# Allegro board LAY-29615_B4.brd
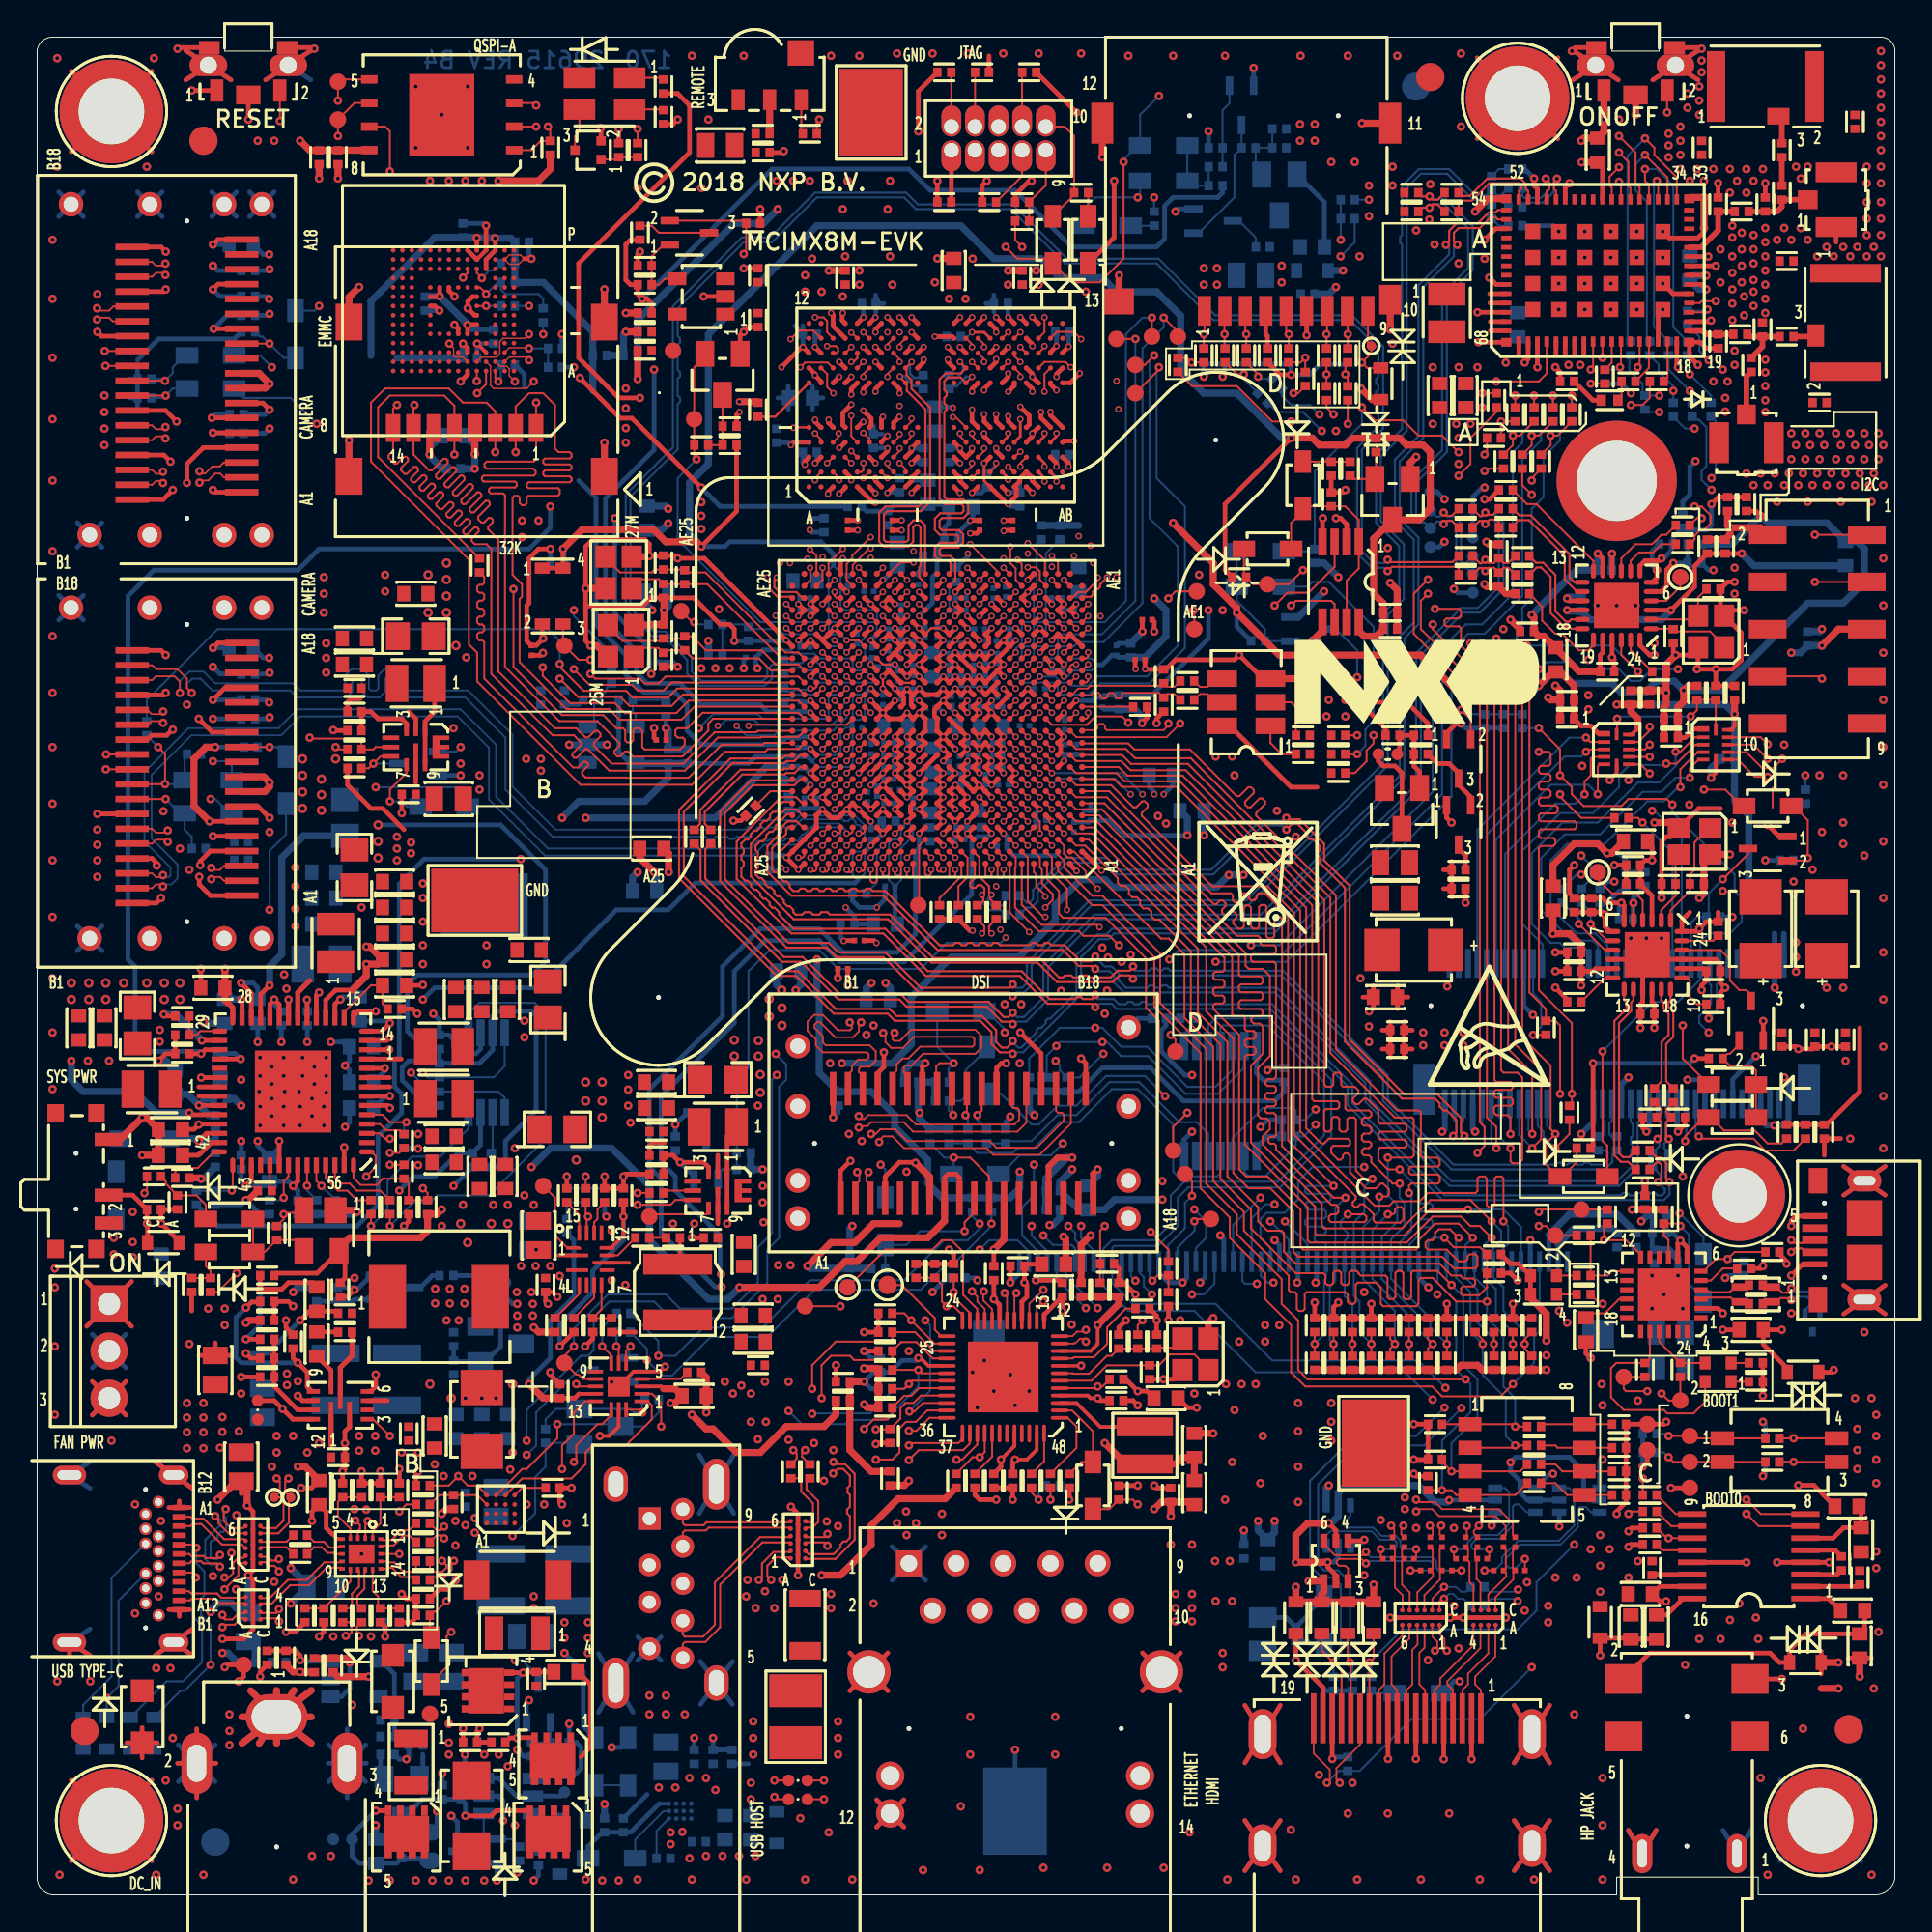
[diagram p0: board, top side]
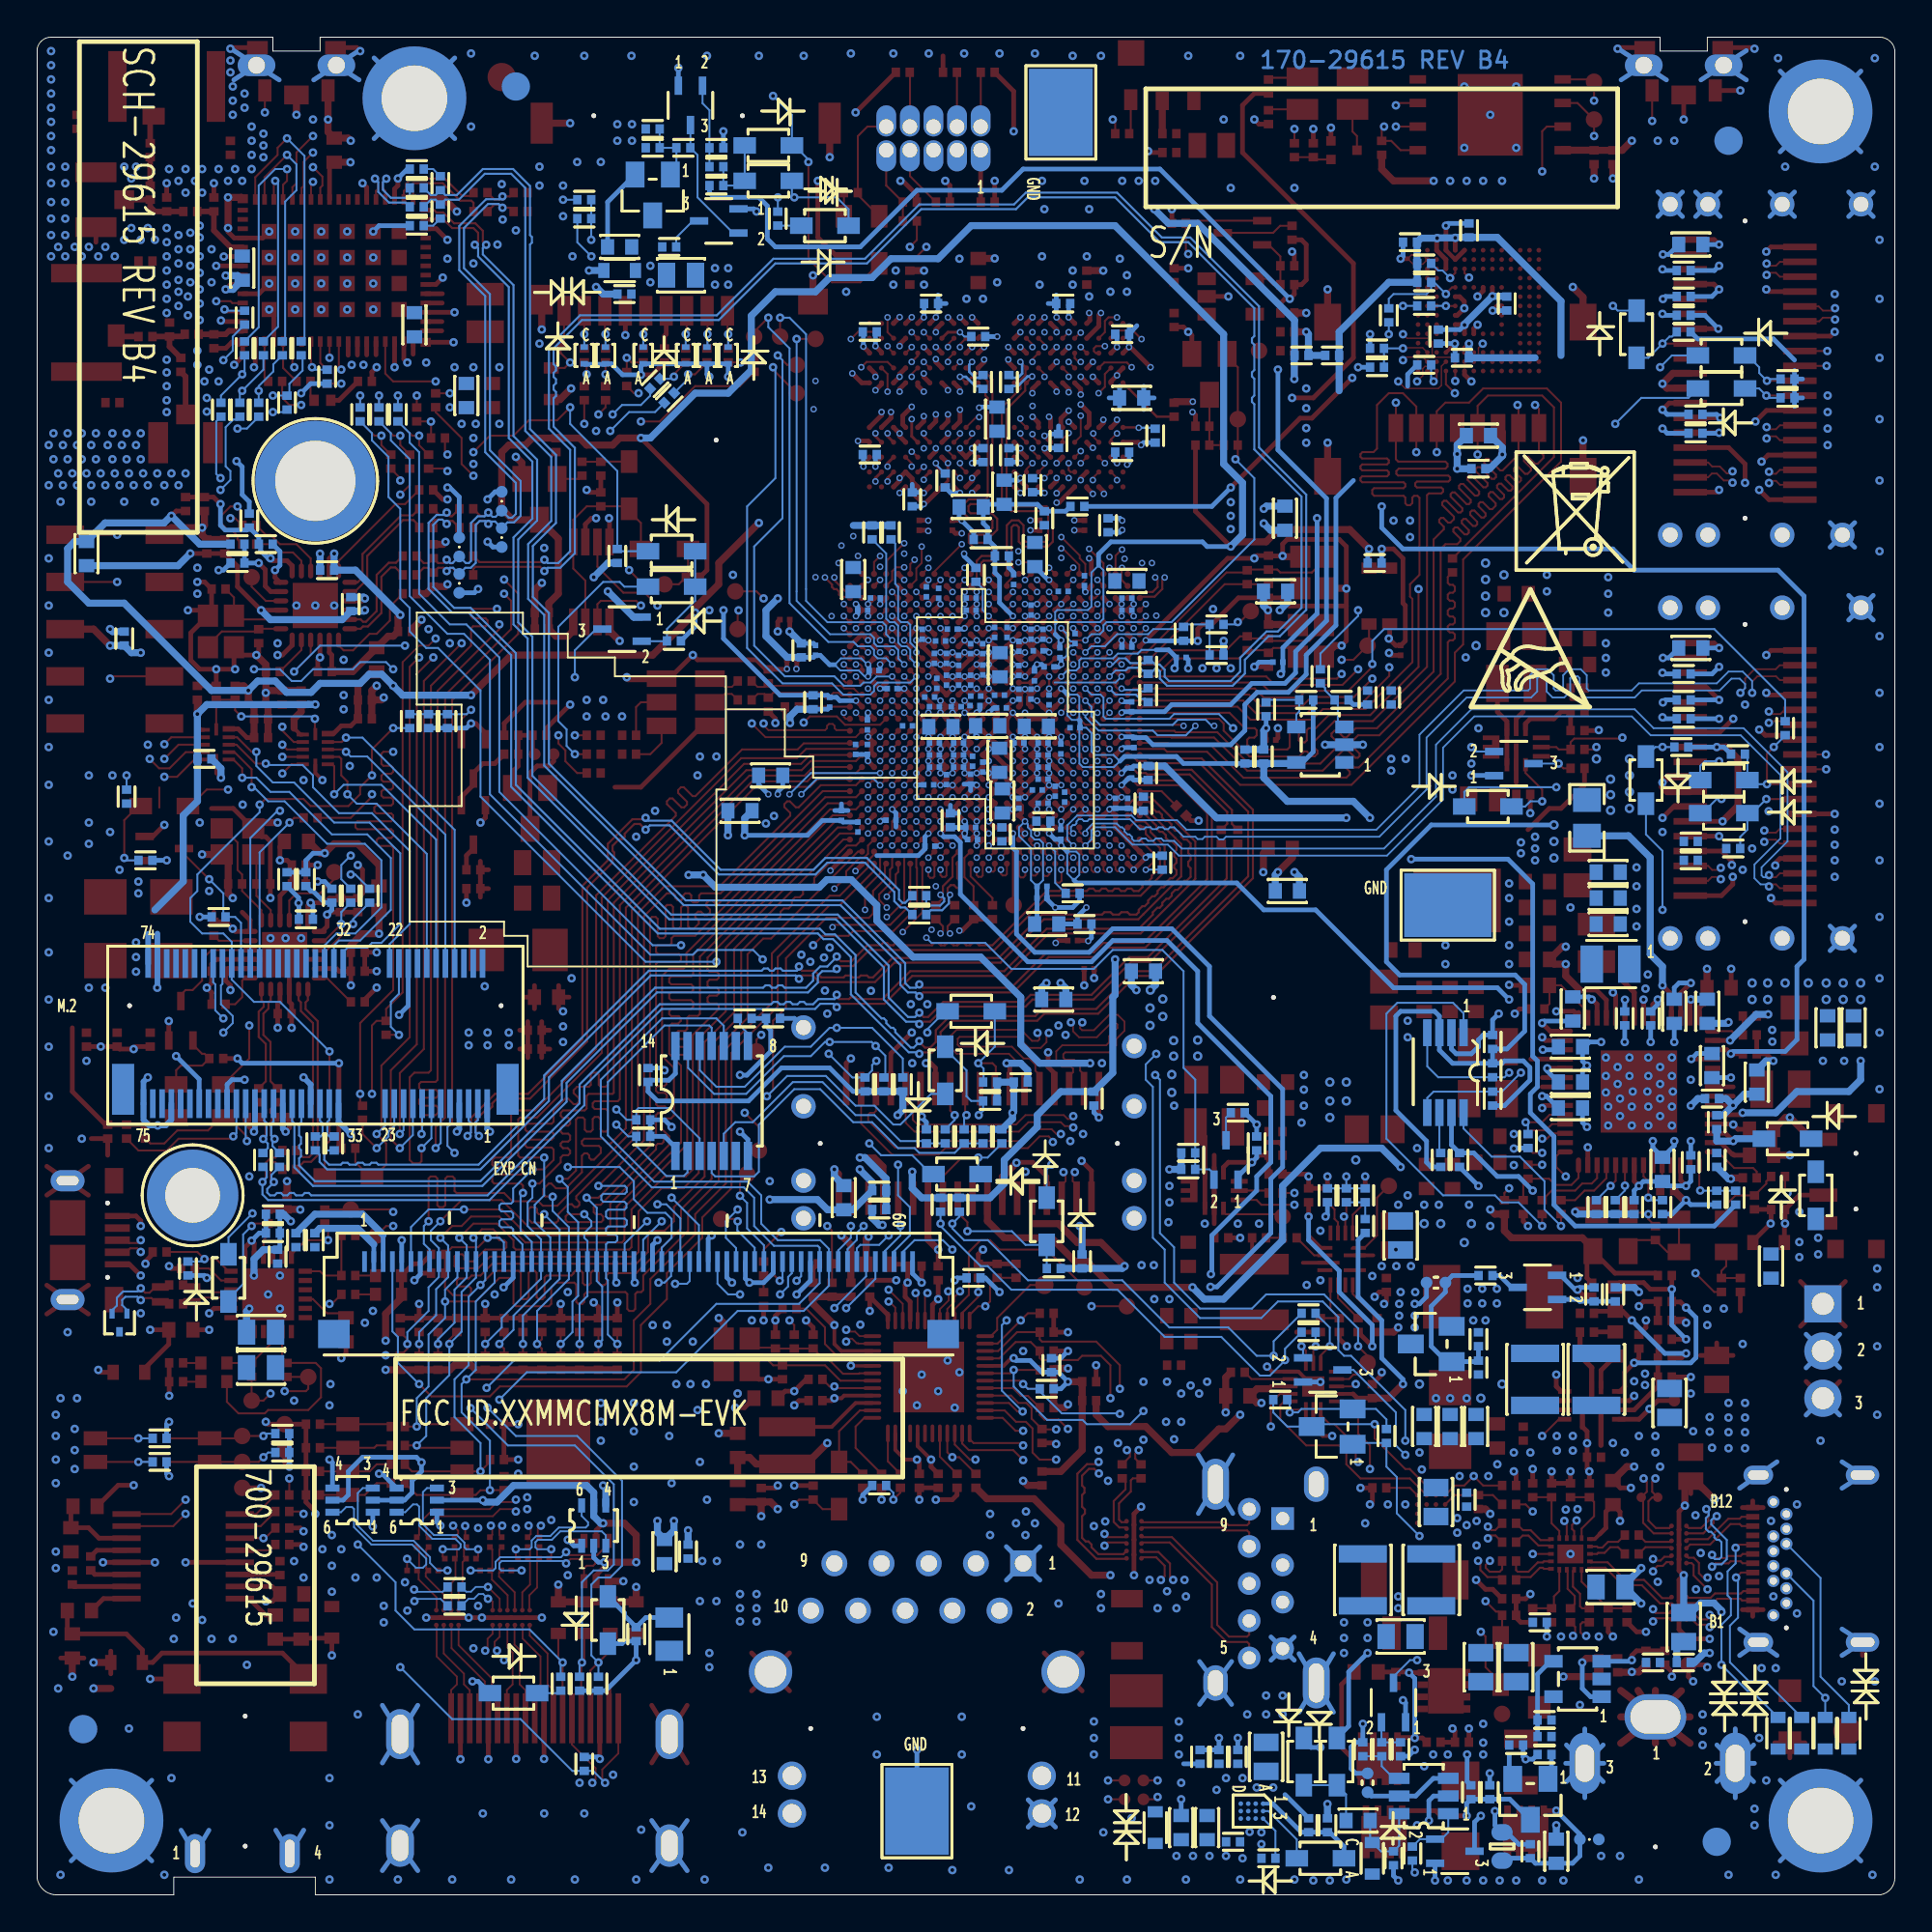
[diagram p1: board, bottom side, seen from below]

Outline 100 x 100 mm; copper layers: TOP, L2_GND_1, L3_POWER_1, L4_INT_1, L5_GND_2, L6_INT_2, L7_GND_3, L8_INT_3, L9_GND_4, BOTTOM. Coordinates in mm from the lower left corner of the outline.
Outline path: 0,99.31 0,0.92 arc(0.22,0.32) 0.78,0 85.03,0 85.03,0.95 92.65,0.95 92.65,0 98.95,0 arc(99.64,0.25) 100,0.89 100,99.38 arc(99.74,99.82) 99.25,100 87.31,100 87.31,99.25 84.77,99.25 84.77,100 12.64,100 12.64,99.25 10.1,99.25 10.1,100 0.82,100 arc(0.29,99.8) 0,99.31

## Design rules (mm)
net group BOOT_MODE0: nets BOOT_MODE0 N102095936
net group BOOT_MODE1: nets BOOT_MODE1 N102095920
net group BT_DEV_WAKE: nets BT_DEV_WAKE N105090550
net group BT_REG_ON: nets BT_REG_ON N105916681
net group CLK1: nets CLK1_N CLK1_P
net group CLK2: nets CLK2_N CLK2_P
net group DCDC_5V_CN: nets DCDC_5V_CN N100828512
net group DP15: nets N99976142 N99976173
net group DP16: nets N99976175 N99976189
net group DRAM_CK_A: nets DRAM_CK_C_A DRAM_CK_T_A
net group DRAM_CK_B: nets DRAM_CK_C_B DRAM_CK_T_B
net group DRAM_VREF: nets DRAM_VREF VREFDDR
net group DSI_TS_SCL: nets DSI_TS_SCL N103556124
net group DSI_TS_SDA: nets DSI_TS_SDA N103556123
net group EMMC_CLK: nets EMMC_CLK SD1_CLK
net group EMMC_NRST: nets EMMC_NRST SD1_NRST
net group EN_SNK: nets EN_SNK N101010200
net group ENET_XTLI: nets CLKO_25MHZ ENET_XTLI
net group ETH_TRX0: nets ETH_TRX0_N ETH_TRX0_P
net group ETH_TRX1: nets ETH_TRX1_N ETH_TRX1_P
net group ETH_TRX2: nets ETH_TRX2_N ETH_TRX2_P
net group ETH_TRX3: nets ETH_TRX3_N ETH_TRX3_P
net group HDMI_AUXN: nets HDMI_AUXN HDMI_AUXN_C
net group HDMI_AUXP: nets HDMI_AUXP HDMI_AUXP_C
net group HDMI_CEC: nets HDMI_CEC N104602033
net group HDMI_REFCLKN: nets HDMI_REFCLKN N102924140
net group HDMI_REFCLKP: nets HDMI_REFCLKP N102924137
net group I2C1_SCL: nets I2C1_SCL N103622995
net group I2C1_SDA: nets I2C1_SDA N103622993
net group ILIM: nets ILIM N101008668
net group IR_CAP: nets IR_CAP N99468749
net group LINK / ACTIVE: nets LED_LINK1000 LINK / ACTIVE
net group M2_SD_NRST: nets M2_SD_NRST N106113334
net group M2_SD_WAKE: nets M2_SD_WAKE SDIO_WAKE
net group MDC: nets ENET_MDC MDC
net group N99975371: nets N99975371 N99975431
net group N99975385: nets N99975385 N99975460
net group N100755622: nets N99975417 N100755622
net group N100755624: nets N99975403 N100755624
net group N101902831: nets N101008879 N101902831
net group N102081148: nets N102081058 N102081148
net group N102887637: nets N99789347 N102887637
net group N102887640: nets N99789365 N102887640
net group N102889416: nets N102889416 N102889418
net group N103625632: nets N103625614 N103625632
net group N105359085: nets N105359085 N106048338
net group NRST_99512133: nets N99515650 NRST_99512133
net group NWDOG: nets N103653503 NWDOG
net group PCIE: nets PCIE2_RXN PCIE2_RXP
net group PCIE1_REF_CLKN: nets N104641618 PCIE1_REF_CLKN
net group PCIE1_REF_CLKP: nets N104641614 PCIE1_REF_CLKP
net group PCIE1_RXN: nets PCIE1_RXN WIFI_PCIE_TX_N
net group PCIE1_RXP: nets PCIE1_RXP WIFI_PCIE_TX_P
net group PCIE1_TXN: nets PCIE1_TXN WIFI_PCIE_RX_N
net group PCIE1_TXP: nets PCIE1_TXP WIFI_PCIE_RX_P
net group PCIE2_TXN: nets N105095143 PCIE2_TXN
net group PCIE2_TXP: nets N105095140 PCIE2_TXP
net group PMIC_STBY_REQ: nets N103623013 PMIC_STBY_REQ
net group PWM_LED: nets N99469401 PWM_LED
net group SAI2_MCLK: nets N102889696 SAI2_MCLK
net group SAI2_TXC: nets N102889754 SAI2_TXC
net group SD1_STROBE: nets EMMC_DQS SD1_STROBE
net group SSRX1: nets SSRXN1 SSRXP1
net group SSRX2: nets SSRXN2 SSRXP2
net group SSTX1: nets SSTXN1 SSTXP1
net group SSTX2: nets SSTXN2 SSTXP2
net group SYS_NRST: nets N103653528 SYS_NRST
net group UART2_RXD: nets UART2_RXD UART2_RXD_CPU
net group UART2_TXD_CPU: nets UART2_TXD UART2_TXD_CPU
net group USB1_RXN: nets N102841178 USB1_RXN
net group USB1_RXP: nets N102841181 USB1_RXP
net group USB1_TXN: nets N102841139 USB1_TXN
net group USB1_TXP: nets N102841136 USB1_TXP
net group USB2_TXN: nets N102841251 USB2_TXN
net group USB2_TXP: nets N102841248 USB2_TXP
net group USB_D: nets USB_DN USB_DP
net group USB_DBG_DM_CN: nets USB_DBG_DM USB_DBG_DM_CN
net group USB_DBG_DP_CN: nets USB_DBG_DP USB_DBG_DP_CN
net group USB_HOST_D: nets USB_HOST_DN USB_HOST_DP
net group USB_HOST_RX: nets USB_HOST_RXN USB_HOST_RXP
net group USB_HOST_TX: nets USB_HOST_TXN USB_HOST_TXP
net group VBUS_CP210X: nets VBUS_CP210X VBUS_USB_BDG
net group VCAM_1V5: nets N103623566 VCAM_1V5
net group VCC_3V6: nets N103621294 VCC_3V6
net group VCC_5V: nets N103937829 VCC_5V
net group WL_NWAKE: nets N105706707 WL_NWAKE
net group XTALI_25M: nets XTALI_25M XTALO_25M
net group XTALI_27M: nets XTALI_27M XTALO_27M
net group ANT0_OUT: nets ANT0_OUT N102661696 N102729666
net group ANT1_OUT: nets ANT1_OUT N102659644 N102730761
net group CLK: nets ENET_XTLO M2_PCM_CLK RTC_CLK_32K768 SD1_CMD
net group DRAM_ADD_A: nets ODT_CA_A
net group DRAM_ADD_B: nets ODT_CA_B
net group ECSPI2: nets I2C2_SCL I2C2_SDA N102026698 PCIE2_NCLKREQ PCIE_NCLKREQ PCIE_NRST PCIE_NWAKE
net group EN_SRC: nets EN_SRC N101008611 N101896717
net group ENET_MDIO: nets ENET_MDIO ENET_VDDH_2V5 ENET_VDDIO_2V5 LED_ACT LINKACT MDIO N101814214 NVCC_ENET_2V5
net group ENET_SD: nets ENET_DVDDL_1V1 ENET_LX ENET_SD
net group HDMI: nets HDMI_CLKN_CN HDMI_CLKP_CN HDMI_HPD HDMI_TXN0_CN HDMI_TXN1_CN HDMI_TXN2_CN HDMI_TXP0_CN HDMI_TXP1_CN HDMI_TXP2_CN HDMI_UTILITY/HEAC+_CN
net group HDMI_CLKN: nets HDMI_CLKN HDMI_CLKN_C N104595703
net group HDMI_CLKP: nets HDMI_CLKP HDMI_CLKP_C N104595705
net group HDMI_TXN0: nets HDMI_TXN0 HDMI_TXN0_C N104595634
net group HDMI_TXN1: nets HDMI_TXN1 HDMI_TXN1_C N104599400
net group HDMI_TXN2: nets HDMI_TXN2 HDMI_TXN2_C N104599354
net group HDMI_TXP0: nets HDMI_TXP0 HDMI_TXP0_C N104595636
net group HDMI_TXP1: nets HDMI_TXP1 HDMI_TXP1_C N104599402
net group HDMI_TXP2: nets HDMI_TXP2 HDMI_TXP2_C N104599356
net group M2_SD_CLK: nets M2_SD_CLK N98831920 SD2_CLK
net group M2_SD_CMD: nets M2_SD_CMD N101118780 SD2_CMD
net group M2_SD_DAT0: nets M2_SD_DAT0 N101118689 SD2_DATA0
net group M2_SD_DAT1: nets M2_SD_DAT1 N101118681 SD2_DATA1
net group M2_SD_DAT2: nets M2_SD_DAT2 N101118794 SD2_DATA2
net group M2_SD_DAT3: nets M2_SD_DAT3 N101118786 SD2_DATA3
net group M2_USB_DN: nets M2_USB_DN N101430997 USB2_DN
net group M2_USB_DP: nets M2_USB_DP N101431025 USB2_DP
net group N103620792: nets N103620806 N103620818 N103621061 N103621063
net group N103623433: nets N103621414 N103623433 N103623437
net group N103623474: nets N103623139 N103623474 N103623492
net group N103636036: nets N103635764 N103635890 N103636036
net group N103636955: nets N103636955
net group NAND: nets NAND_DATA4 NAND_DATA5 NAND_DATA6 NAND_DATA7 NAND_NCE3 NAND_NREADY NAND_NWE NAND_NWP TCPC_NINT USB1_SS_SEL
net group NRST: nets N306938 N101784396 N101840031 N103636841 N103653484 NRST NVCC_SNVS_3V3 PMIC_ON PMIC_ON_REQ POR_B
net group NVCC_SD2: nets N103625608 N103625713 N103625807 N103625812 NVCC_SD2
net group PCIE2_REF_CLKN_CN: nets N101995408 N101995453 PCIE2_REF_CLKN PCIE2_REF_CLKN_CN
net group PCIE2_REF_CLKP_CN: nets N101995404 N101995436 PCIE2_REF_CLKP PCIE2_REF_CLKP_CN
net group POWER_PH: nets ENET_AVDD33 LINEVDD N99468751 N101008815 N101800237 N101995353 N102189491 N104641488 N104641573 USB1_VBUS VCAM_2V8 VCC VDD_12V VDD_PHY_1V8 VDD_SNVS_0V9
net group REF_CLK_32K: nets N105095283 N105651086 REF_CLK_32K
net group RPD_CSI_P1: nets CSI_P1_CKN CSI_P1_CKP CSI_P1_DN0 CSI_P1_DN1 CSI_P1_DN2 CSI_P1_DN3 CSI_P1_DP0 CSI_P1_DP1 CSI_P1_DP2 CSI_P1_DP3
net group RPD_CSI_P2: nets CSI_P2_CKN CSI_P2_CKP CSI_P2_DN0 CSI_P2_DN1 CSI_P2_DN2 CSI_P2_DN3 CSI_P2_DP0 CSI_P2_DP1 CSI_P2_DP2 CSI_P2_DP3
net group RPD_DRAM_ADD_A: nets DRAM_CA0_A DRAM_CA1_A DRAM_CA2_A DRAM_CA3_A DRAM_CA4_A DRAM_CA5_A DRAM_CKE0_A DRAM_CKE1_A DRAM_NCS0_A DRAM_NCS1_A
net group RPD_DRAM_ADD_B: nets DRAM_CA0_B DRAM_CA1_B DRAM_CA2_B DRAM_CA3_B DRAM_CA4_B DRAM_CA5_B DRAM_CKE0_B DRAM_CKE1_B DRAM_NCS0_B DRAM_NCS1_B
net group RPD_DRAM_DATA0_A: nets DRAM_DATA0_A DRAM_DATA1_A DRAM_DATA2_A DRAM_DATA3_A DRAM_DATA4_A DRAM_DATA5_A DRAM_DATA6_A DRAM_DATA7_A DRAM_DMI0_A DRAM_SDQS0_C_A DRAM_SDQS0_T_A
net group RPD_DRAM_DATA0_B: nets DRAM_DATA0_B DRAM_DATA1_B DRAM_DATA2_B DRAM_DATA3_B DRAM_DATA4_B DRAM_DATA5_B DRAM_DATA6_B DRAM_DATA7_B DRAM_DMI0_B DRAM_SDQS0_C_B DRAM_SDQS0_T_B
net group RPD_DRAM_DATA1_A: nets DRAM_DATA8_A DRAM_DATA9_A DRAM_DATA10_A DRAM_DATA11_A DRAM_DATA12_A DRAM_DATA13_A DRAM_DATA14_A DRAM_DATA15_A DRAM_DMI1_A DRAM_SDQS1_C_A DRAM_SDQS1_T_A
net group RPD_DRAM_DATA1_B: nets DRAM_DATA8_B DRAM_DATA9_B DRAM_DATA10_B DRAM_DATA11_B DRAM_DATA12_B DRAM_DATA13_B DRAM_DATA14_B DRAM_DATA15_B DRAM_DMI1_B DRAM_SDQS1_C_B DRAM_SDQS1_T_B
net group RPD_DSI: nets DSI_CKN DSI_CKP DSI_DN0 DSI_DN1 DSI_DN2 DSI_DN3 DSI_DP0 DSI_DP1 DSI_DP2 DSI_DP3
net group RPD_ENET: nets ENET_RD0 ENET_RD1 ENET_RD2 ENET_RD3 ENET_RX_CTL ENET_RXC ENET_TD0 ENET_TD1 ENET_TD2 ENET_TD3 ENET_TX_CTL ENET_TXC
net group RPD_QSPI: nets NAND_DATA1 NAND_DATA2 NAND_DATA3 QSPIA_NSS0
net group RPD_SAI1: nets SAI1_MCLK SAI1_RXC SAI1_RXD0 SAI1_RXD1 SAI1_RXD2 SAI1_RXD3 SAI1_RXD4 SAI1_RXD5 SAI1_RXD6 SAI1_RXD7 SAI1_RXFS SAI1_TXC SAI1_TXD0 SAI1_TXD1 SAI1_TXD3 SAI1_TXD7 SAI1_TXFS
net group SAI1_TXD2: nets N97352674
net group SAI1_TXD4: nets N97352678
net group SAI1_TXD5: nets N97352680
net group SAI1_TXD6: nets N97352682
net group SAI2: nets SAI2_RXC SAI2_RXD SAI2_RXFS SAI2_TXD SAI2_TXFS
net group SAI3: nets SAI3_MCLK SAI3_RXC SAI3_RXFS
net group SAI3_RXD: nets N101353081 N103766552 SAI3_RXD
net group SAI3_TXC: nets N103766558 N105650269 SAI3_TXC
net group SAI3_TXD: nets N103766556 N105661695 SAI3_TXD
net group SAI3_TXFS: nets N103766554 N105650335 SAI3_TXFS
net group SAI5: nets SAI5_MCLK SAI5_RXC SAI5_RXD0 SAI5_RXD1 SAI5_RXD2 SAI5_RXD3 SAI5_RXFS
net group SD2: nets SD2_NRST
net group SPDIF: nets SPDIF_EXT_CLK SPDIF_RX SPDIF_TX
net group UART: nets WL_REG_ON
net group UART1_RXD: nets N101141297 UART1_RXD UART1_RXD_MCU
net group UART1_TXD_MCU: nets N101141295 UART1_TXD UART1_TXD_MCU
net group UART3_CTS: nets N103823983 N105650060 UART3_CTS
net group UART3_RTS: nets N103823996 N105650062 UART3_RTS
net group UART3_RXD: nets N103823981 N105650032 UART3_RXD
net group UART3_TXD: nets N103823994 N105650042 UART3_TXD
net group USB1: nets USB1_DN USB1_DP USB1_ID
net group USB2: nets USB2_ID USB2_RXN USB2_RXP USB2_VBUS
net group USB_VBUS: nets N101344123
net group VDDA_1V8: nets N103621960
net group VSD_3V3: nets N103625600
net group VSYS: nets N103620610 PWR_PATH_EN VSYS
net group WIFI_PCIE_CLKN: nets N104641622 WIFI_PCIE_CLKN WIFI_PCIE_REFCLK_N
net group WIFI_PCIE_CLKP: nets N104641620 WIFI_PCIE_CLKP WIFI_PCIE_REFCLK_P

## Placement (name value [footprint] x y rotation side)
BH1401  .635" LONG  [SPACER_139T]  4 4 0 top
BH1402  .635" LONG  [SPACER_139T]  4 96 0 top
BH1403  .635" LONG  [SPACER_139T]  79.69 96.71 0 top
BH1404  .635" LONG  [SPACER_139T]  96 4 0 top
BH1405  SMTSO-M1.6-2.25ET  [MH194-116T]  91.63 37.65 180 bottom
BH1406  SMTSO-M25  [MH244-166T]  85.03 76.11 180 bottom
C1  0.1uF  [0201_CC]  55.82 57.48 90 bottom
C2  0.1uF  [0201_CC]  53.97 64.93 0 bottom
C3  0.1uF  [0201_CC]  38.42 66.61 180 bottom
C4  2.2uF  [0402_CC]  50.84 57.85 270 bottom
C5  2.2uF  [0402_CC]  48.07 57.09 90 bottom
C6  2.2uF  [0402_CC]  40.19 60.39 270 bottom
C7  2.2uF  [0402_CC]  40.45 58.74 270 bottom
C8  0.1uF  [0201_CC]  56.7 58.1 270 bottom
C9  2.2uF  [0402_CC]  58.23 64.2 270 bottom
C10  2.2uF  [0402_CC]  58.86 66.99 90 bottom
C11  2.2uF  [0402_CC]  45.83 57.8 0 bottom
C12  2.2uF  [0402_CC]  43.62 52.26 180 bottom
C13  22uF  [0603_CC]  48.2 61.07 270 bottom
C14  22uF  [0603_CC]  46.21 62.9 180 bottom
C15  22uF  [0603_CC]  48.83 62.93 180 bottom
C16  22uF  [0603_CC]  51.35 62.88 0 bottom
C17  22uF  [0603_CC]  33.08 56.32 180 top
C18  22uF  [0603_CC]  46.29 72.15 90 bottom
C19  0.1uF  [0201_CC]  45.91 53.66 180 bottom
C20  0.1uF  [0201_CC]  45.91 54.29 180 bottom
C21  1uF  [0201_CC]  50.4 61.36 180 bottom
C22  1uF  [0201_CC]  50.4 60.71 180 bottom
C23  1uF  [0201_CC]  47.15 58.76 270 bottom
C24  1uF  [0201_CC]  45.85 62.01 180 bottom
C27  1uF  [0201_CC]  46.16 59.47 180 bottom
C28  1uF  [0201_CC]  45.85 60.06 180 bottom
C29  1uF  [0201_CC]  51.57 65.21 90 bottom
C31  1uF  [0201_CC]  51.7 60.71 0 bottom
C32  1uF  [0201_CC]  51.05 60.03 270 bottom
C33  4700PF  [0201_CC]  33.59 62.17 0 top
C34  1uF  [0201_CC]  51.05 66.56 270 bottom
C35  1uF  [0201_CC]  46.04 73.72 270 top
C36  1uF  [0201_CC]  43.62 73.72 270 top
C101  1uF  [0201_CC]  44.94 66.86 270 bottom
C102  0.1uF  [0201_CC]  44.13 62.83 0 bottom
C103  1uF  [0201_CC]  46.5 69.16 270 bottom
C104  1uF  [0201_CC]  50.4 65.39 90 bottom
C105  1uF  [0201_CC]  49.75 65.39 90 bottom
C106  1uF  [0201_CC]  49.64 61.02 270 bottom
C107  1uF  [0201_CC]  51.05 65.39 90 bottom
C108  4700PF  [0201_CC]  49.1 67.08 90 bottom
C109  1uF  [0201_CC]  47.15 64.63 270 bottom
C110  4700PF  [0201_CC]  50.4 66.46 270 bottom
C111  1uF  [0201_CC]  46.5 64.63 270 bottom
C112  1uF  [0201_CC]  48.2 64.58 180 bottom
C113  1uF  [0201_CC]  49.48 64.53 0 bottom
C114  4700PF  [0201_CC]  49.1 65.93 270 bottom
C115  4700PF  [0201_CC]  45.85 67.86 270 bottom
C116  22uF  [0603_CC]  20.38 70.04 180 top
C117  0.01UF  [0201_CC]  59.75 68.64 180 top
C118  1uF  [0201_CC]  45.85 61.36 180 bottom
C119  1uF  [0201_CC]  45.85 60.71 180 bottom
C120  1uF  [0201_CC]  47.15 62.01 0 bottom
C121  1uF  [0201_CC]  44.26 51.37 180 top
C122  1uF  [0201_CC]  43.37 49.85 180 top
C123  1uF  [0201_CC]  50.53 63.96 180 bottom
C124  1uF  [0201_CC]  51.96 64.48 0 bottom
C125  1uF  [0201_CC]  51.7 63.96 0 bottom
C126  1uF  [0201_CC]  50.4 62.01 180 bottom
C127  1uF  [0201_CC]  51.7 61.36 0 bottom
C128  1uF  [0201_CC]  51.7 62.01 0 bottom
C129  4700PF  [0201_CC]  46.5 67.86 270 bottom
C130  0.01UF  [0201_CC]  44.13 67.63 270 bottom
C131  1uF  [0201_CC]  47.15 65.91 270 bottom
C132  1uF  [0201_CC]  47.15 67.21 90 bottom
C133  4700PF  [0201_CC]  51.37 67.5 0 bottom
C134  1uF  [0201_CC]  49.75 67.08 90 bottom
C135  4700PF  [0201_CC]  51.7 66.56 270 bottom
C136  4700PF  [0201_CC]  52.35 67.86 270 bottom
C137  4700PF  [0201_CC]  59.37 66.48 0 top
C138  4700PF  [0201_CC]  26.61 66.99 90 top
C139  1uF  [0201_CC]  51.47 70.07 90 bottom
C140  1uF  [0201_CC]  54.88 69.81 180 bottom
C144  1uF  [0201_CC]  49.1 60.71 270 bottom
C145  1uF  [0201_CC]  48.09 63.89 180 bottom
C146  1uF  [0201_CC]  45.53 66.1 0 bottom
C147  0.1uF  [0201_CC]  41.34 67.17 180 bottom
C148  0.1uF  [0201_CC]  50.74 68.13 0 bottom
C149  0.1uF  [0201_CC]  45.53 64.32 270 bottom
C150  0.1uF  [0201_CC]  46.11 66.97 0 bottom
C151  0.1uF  [0201_CC]  49.52 64.02 0 bottom
C152  0.1uF  [0201_CC]  33.21 66.36 0 bottom
C153  1uF  [0201_CC]  47.43 70.8 90 bottom
C154  1uF  [0201_CC]  41.34 69.15 180 bottom
C155  1uF  [0201_CC]  43.62 70.74 90 bottom
C156  1uF  [0201_CC]  52.13 70.14 90 bottom
C157  1uF  [0201_CC]  47.79 67.96 270 bottom
C158  1uF  [0201_CC]  44.77 70.17 180 bottom
C159  1uF  [0201_CC]  48.46 67.96 270 bottom
C160  1uF  [0201_CC]  52.51 73.72 270 top
C161  1uF  [0201_CC]  55.56 69.15 0 bottom
C162  1uF  [0201_CC]  41.34 69.8 180 bottom
C163  1uF  [0201_CC]  49.72 69.15 180 bottom
C164  1uF  [0201_CC]  49.72 69.81 180 bottom
C165  22uF  [0603_CC]  48.04 58.89 270 bottom
C166  22uF  [0603_CC]  45.27 48.2 180 bottom
C167  22uF  [0603_CC]  26.48 50.86 180 top
C168  22uF  [0603_CC]  40.45 49.72 0 bottom
C169  22uF  [0603_CC]  62.17 58.36 180 bottom
C170  22uF  [0603_CC]  60.51 60.26 180 bottom
C171  22uF  [0603_CC]  32.7 54.04 0 bottom
C172  22uF  [0603_CC]  48.17 66.22 270 bottom
C173  22uF  [0603_CC]  33.34 70.17 0 bottom
C174  22uF  [0603_CC]  32.83 74.1 90 bottom
C175  22uF  [0603_CC]  41.34 70.73 180 bottom
C176  22uF  [0603_CC]  56.07 70.8 90 bottom
C177  1uF  [0201_CC]  50.74 73.72 270 top
C178  0.1uF  [0201_CC]  49.75 60.06 90 bottom
C179  0.1uF  [0201_CC]  49.75 57.46 0 bottom
C180  0.1uF  [0201_CC]  49.65 56.81 0 bottom
C181  0.1uF  [0201_CC]  41.08 60.39 270 bottom
C182  0.1uF  [0201_CC]  41.3 58.76 270 bottom
C183  0.1uF  [0201_CC]  41.95 58.76 270 bottom
C184  0.1uF  [0201_CC]  57.34 64.2 270 bottom
C185  0.1uF  [0201_CC]  58.1 66.99 90 bottom
C186  0.1uF  [0201_CC]  54.95 65.91 180 bottom
C187  0.1uF  [0201_CC]  44.89 57.09 90 bottom
C188  0.1uF  [0201_CC]  45.85 58.76 0 bottom
C189  0.1uF  [0201_CC]  45.2 59.41 90 bottom
C190  0.1uF  [0201_CC]  44.69 59.09 90 bottom
C191  0.1uF  [0201_CC]  41.08 63.96 90 bottom
C192  0.1uF  [0201_CC]  40.96 62.03 270 bottom
C193  0.1uF  [0201_CC]  52.01 59.75 180 bottom
C194  0.1uF  [0201_CC]  44.89 61.68 270 bottom
C195  0.1uF  [0201_CC]  55.31 61.66 270 bottom
C196  0.1uF  [0201_CC]  54.04 57.85 0 bottom
C197  0.1uF  [0201_CC]  55.94 61.66 270 bottom
C198  0.1uF  [0201_CC]  55.31 62.98 90 bottom
C199  0.1uF  [0201_CC]  51.94 56.45 180 bottom
C201  22uF  [0603_CC]  41.08 80.58 180 bottom
C202  4.7uF  [0402_CC]  45.02 78.26 270 bottom
C203  4.7uF  [0402_CC]  52.89 75.12 270 bottom
C204  4.7uF  [0402_CC]  51.88 85.66 0 bottom
C205  4.7uF  [0402_CC]  44.77 85.66 180 bottom
C206  22uF  [0603_CC]  48.32 79.44 90 bottom
C207  4.7uF  [0402_CC]  55.18 84.14 0 bottom
C208  4.7uF  [0402_CC]  43.5 87.06 90 top
C209  4.7uF  [0402_CC]  55.18 77.53 0 bottom
C210  4.7uF  [0402_CC]  41.59 77.66 180 bottom
C211  22uF  [0603_CC]  49.34 87.44 90 top
C212  4.7uF  [0402_CC]  41.59 84.01 180 bottom
C213  4.7uF  [0402_CC]  53.02 87.06 90 top
C214  4.7uF  [0402_CC]  47.69 77.5 90 bottom
C215  4.7uF  [0402_CC]  49.08 77.5 90 bottom
C216  0.1uF  [0402_CC]  48.07 72.07 180 bottom
C217  4.7uF  [0402_CC]  42.35 73.72 270 bottom
C218  0.1uF  [0402_CC]  49.21 72.96 180 bottom
C219  0.1uF  [0402_CC]  45.78 74.1 270 bottom
C401  1uF  [0402_CC]  38.29 67.88 270 bottom
C402  18PF  [0402_CC]  33.72 66.48 270 top
C403  18PF  [0402_CC]  33.72 68.01 90 top